# KiCad board hw-openmower-yardforce.kicad_pcb
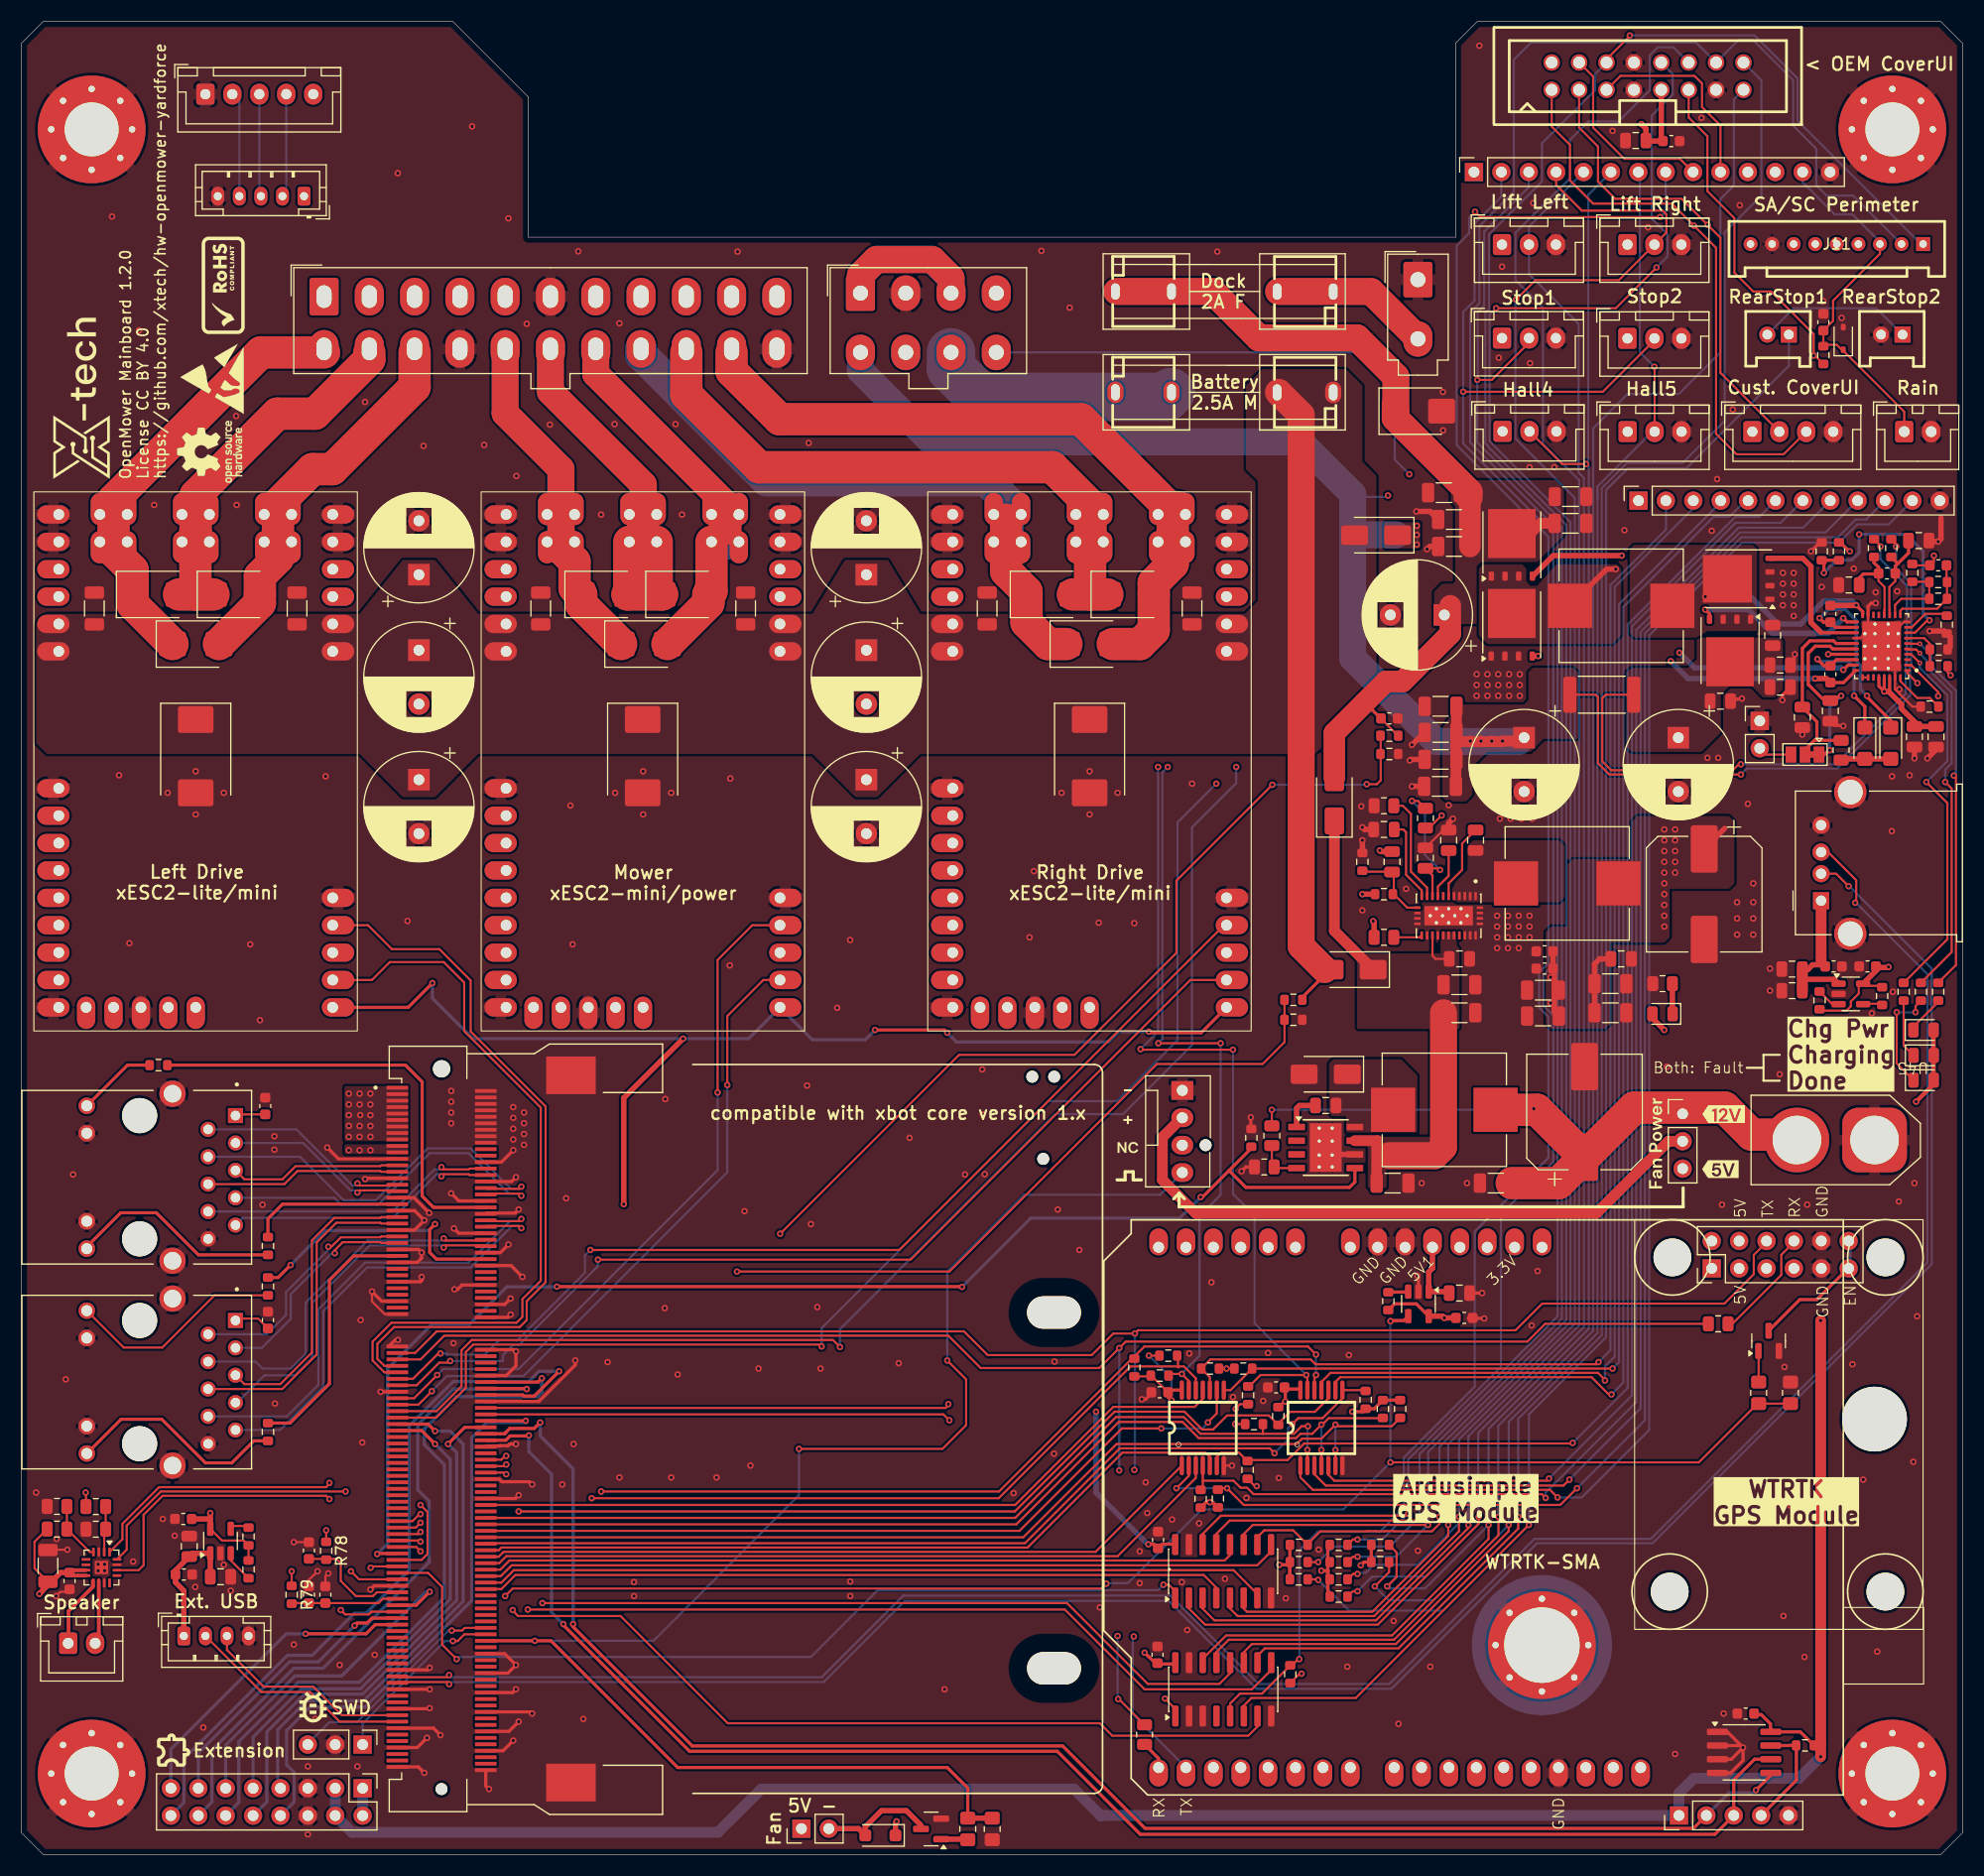
[diagram p0: board, top side]
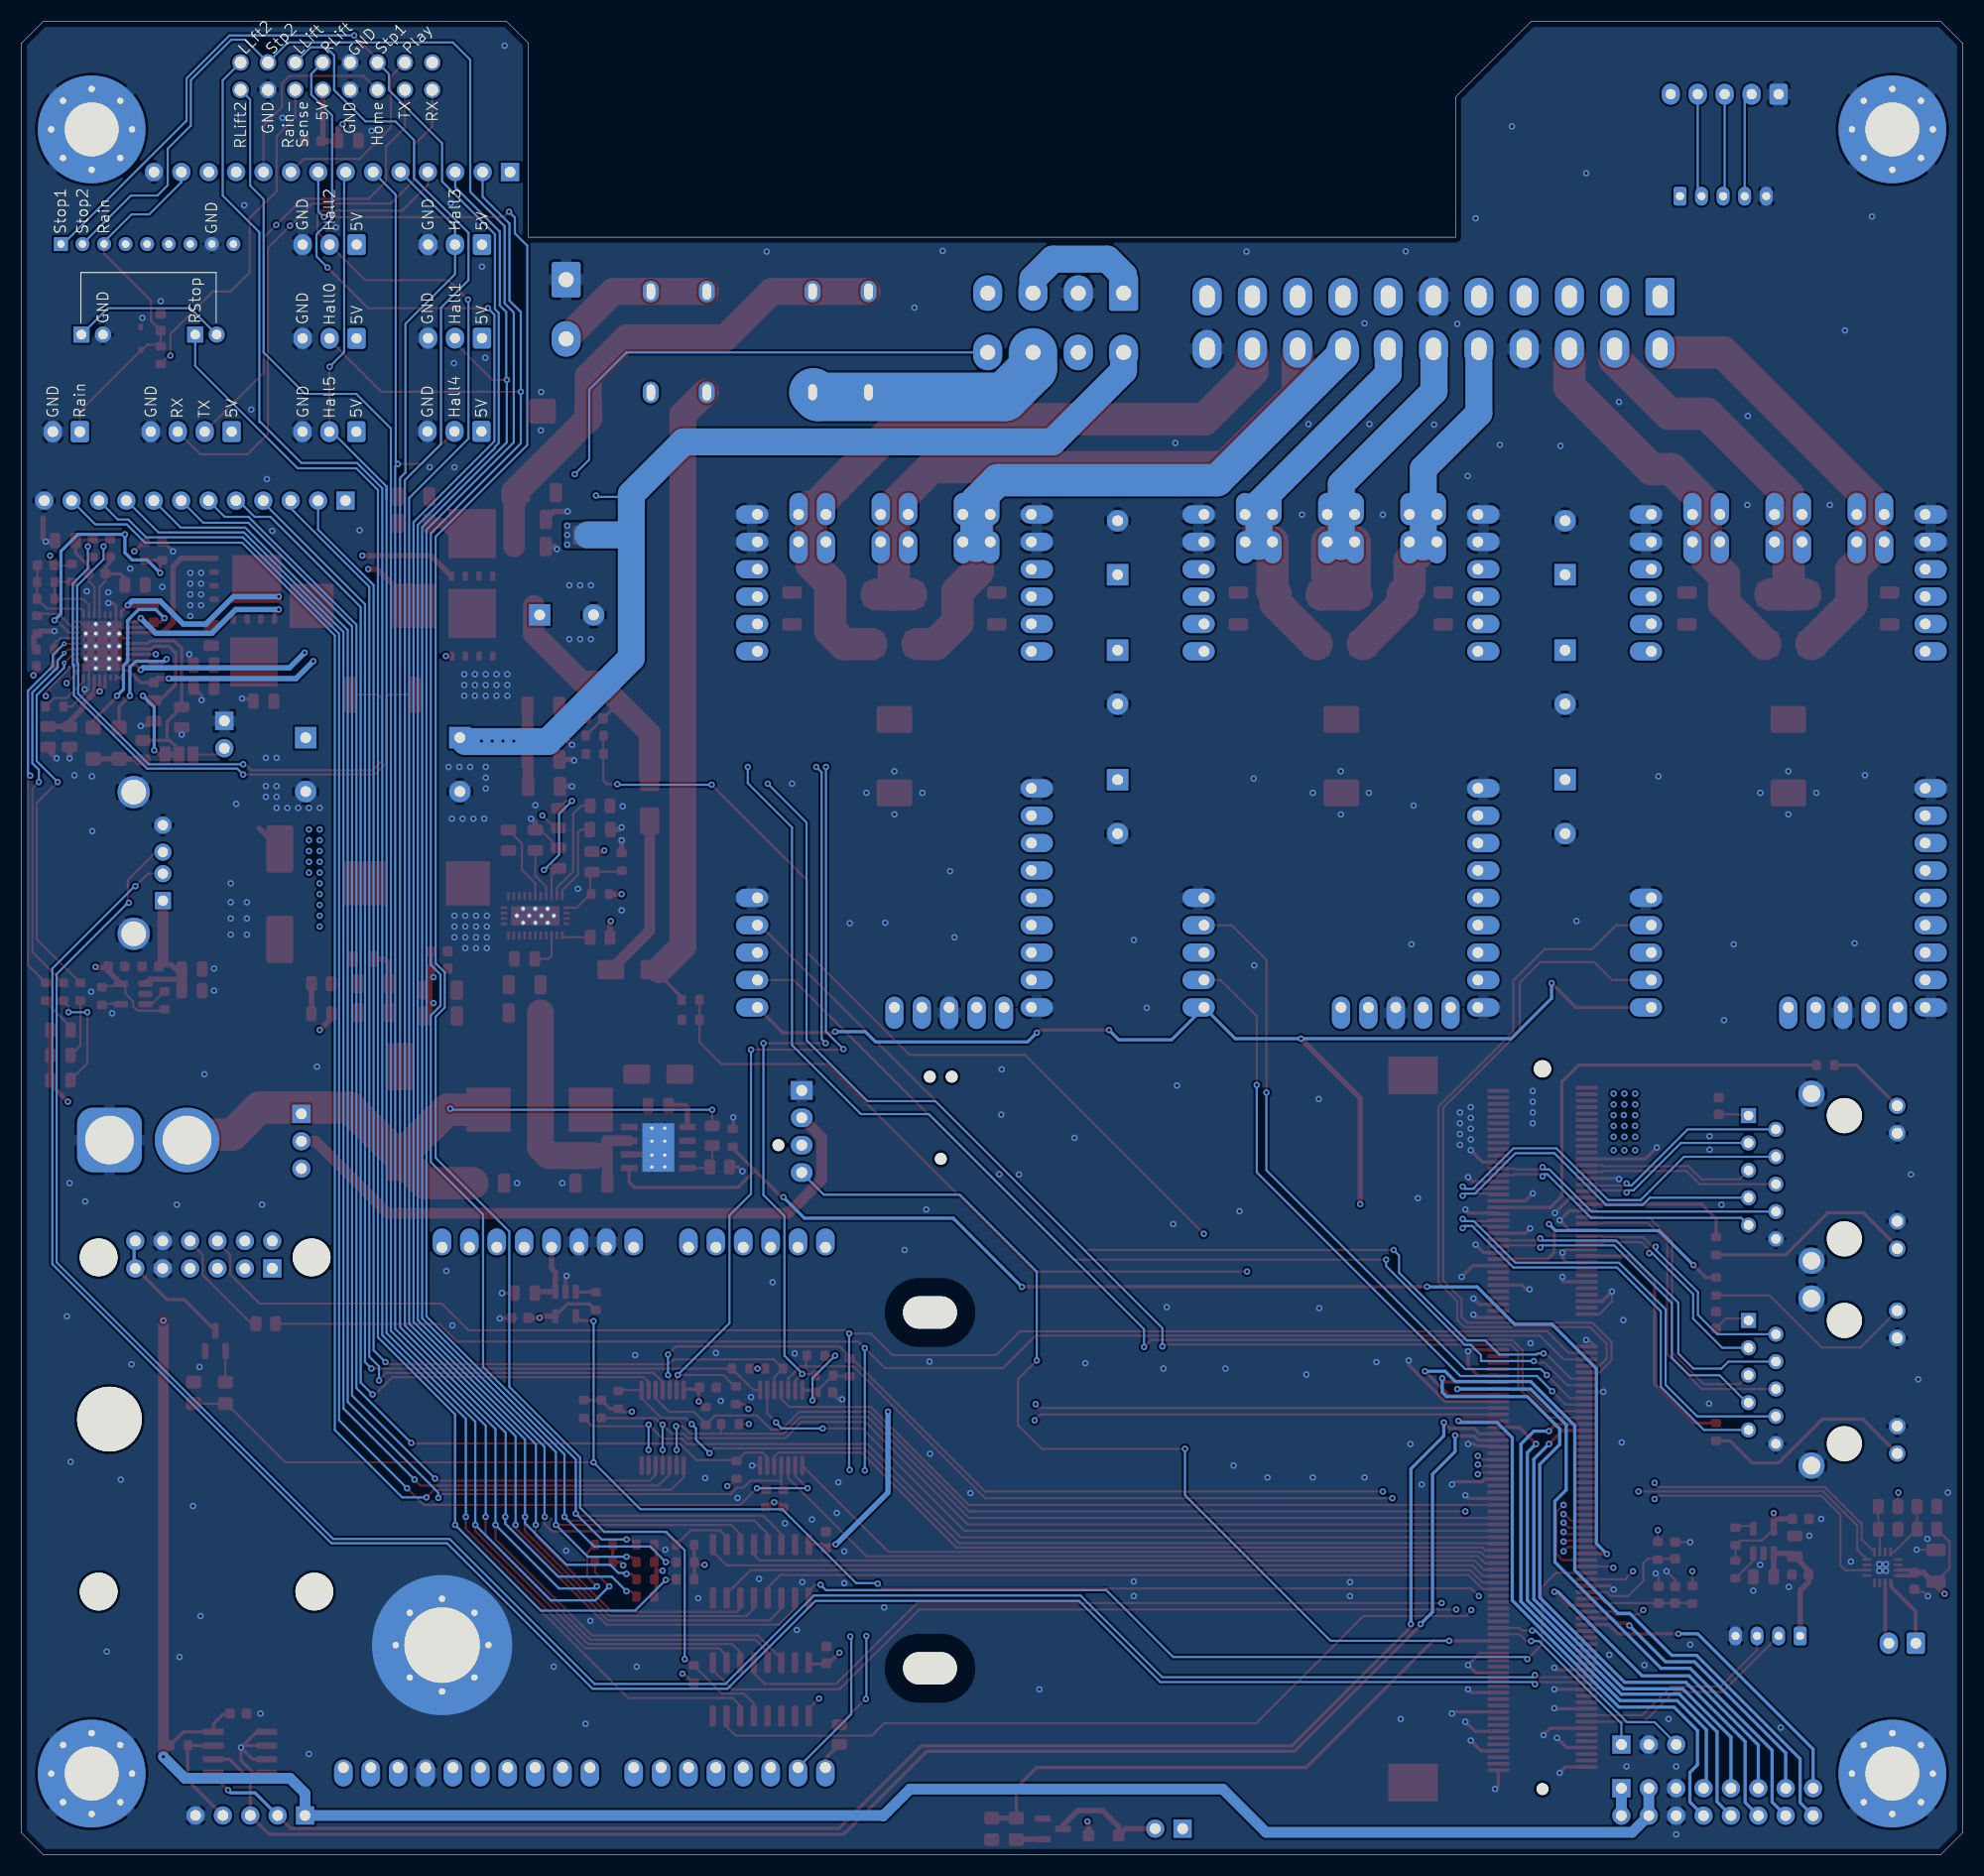
[diagram p1: board, bottom side, seen from below]

Outline 180 x 170 mm; copper layers: Top, In1.Cu-GND, In2.Cu-PWR-SIG, Bottom. Coordinates in mm from the lower left corner of the outline.
Outline path: 0,168 2,170 40,170 47,163 47,150 133,150 133,168 135,170 178,170 180,168 180,2 178,0 2,0 0,2 0,168
Stack: Top 0.035mm / dielectric 0.1mm FR4 er 4.5 / In1.Cu-GND 0.035mm / dielectric 1.24mm FR4 er 4.5 / In2.Cu-PWR-SIG 0.035mm / dielectric 0.1mm FR4 er 4.5 / Bottom 0.035mm

## Placement (name value [footprint] x y rotation side)
C1  100nF@50V  [C_0603_1608Metric]  171.2 82.36 180 top
C2  100nF@50V  [C_0603_1608Metric]  15 31.12 180 top
C3  470nF@50V  [C_0805_2012Metric]  164.2 80.11 180 top
C4  470nF@50V  [C_0805_2012Metric]  164.2 82.11 180 top
C5  100nF@50V  [C_0603_1608Metric]  168.05 82.36 180 top
C6  470nF@50V  [C_0805_2012Metric]  15.55 28.57 90 top
C7  470nF@50V  [C_0805_2012Metric]  18.45 25.75 0 top
C8  100nF@50V  [C_0603_1608Metric]  15.05 25.97 180 top
C9  100uF@6.3V  [C_1206_3216Metric]  2.45 26.76 90 top
C10  100nF@50V  [C_0603_1608Metric]  4.45 25.37 90 top
C11  10uF@50V  [C_1206_3216Metric]  127.15 62.27 0 top
C12  10nF  [C_0805_2012Metric]  120.95 69.46 0 top
C13  680uF  [CP_Elec_10x12.5]  144.95 68.87 90 top
C14  680uF  [CP_Elec_10x12.5]  156.05 89.06 270 top
C15  100nF@50V  [C_0603_1608Metric]  167.1 142.12 90 top
C16  10uF@50V  [C_1206_3216Metric]  136.72 62.27 180 top
C17  100nF@50V  [C_0603_1608Metric]  105.4 29.16 90 top
C18  100nF@50V  [C_0603_1608Metric]  153 158.91 0 top
C19  100nF@50V  [C_0603_1608Metric]  105.55 42.87 180 top
C20  100nF@50V  [C_0603_1608Metric]  116.35 43.31 0 top
C22  100nF@50V  [C_0603_1608Metric]  22.85 49.56 270 top
C23  100nF@50V  [C_0603_1608Metric]  22.6 69.41 270 top
C24  10uF@50V  [C_1206_3216Metric]  133.35 80.66 0 top
C25  10uF@50V  [C_1206_3216Metric]  133.35 78.06 0 top
C26  470nF@50V  [C_0805_2012Metric]  133.35 83.06 0 top
C27  C  [C_0805_2012Metric]  126.35 95.06 180 top  (not fitted)
C28  2.2uF  [C_0805_2012Metric]  132.35 94.07 270 top
C29  470nF@50V  [C_0805_2012Metric]  134.85 94.06 270 top
C30  C  [C_0805_2012Metric]  127.1 92.06 270 top  (not fitted)
C31  100uF@6.3V  [C_1206_3216Metric]  141.1 80.16 180 top
C32  100uF@6.3V  [C_1206_3216Metric]  141.1 77.77 180 top
C33  100uF@6.3V  [C_1206_3216Metric]  147.35 78.07 0 top
C34  100uF@6.3V  [C_1206_3216Metric]  147.35 80.77 0 top
C35  470nF@50V  [C_0805_2012Metric]  148.35 83.06 0 top
C36  100nF@50V  [C_0603_1608Metric]  141.25 82.16 0 top
C37  100nF@50V  [C_0603_1608Metric]  141.25 83.77 0 top
C38  4.7uF@50V  [C_1206_3216Metric]  132.85 121.31 180 top
C39  4.7uF@50V  [C_1206_3216Metric]  132.85 123.81 180 top
C40  4.7uF@50V  [C_1206_3216Metric]  143.65 123.46 0 top
C41  4.7uF@50V  [C_1206_3216Metric]  131.92 126.3 180 top
C42  220uF@80V  [CP_Radial_D10.0mm_P5.00mm]  131.95 114.97 180 top
C43  4.7uF@50V  [C_1206_3216Metric]  131.6 106.49 180 top
C44  4.7uF@50V  [C_1206_3216Metric]  131.55 99.06 180 top
C45  4.7uF@50V  [C_1206_3216Metric]  131.6 104.06 180 top
C46  4.7uF@50V  [C_1206_3216Metric]  131.6 101.56 180 top
C47  220uF@80V  [CP_Radial_D10.0mm_P5.00mm]  139.35 103.58 270 top
C48  100nF@50V  [C_0603_1608Metric]  167.75 115.06 270 top
C49  DNP  [C_0603_1608Metric]  177.75 119.56 0 top  (not fitted)
C50  220uF@80V  [CP_Radial_D10.0mm_P5.00mm]  153.65 103.58 270 top
C51  1uF@50V  [C_0805_2012Metric]  130.2 92.41 270 top
C52  100nF@50V  [C_0603_1608Metric]  133.8 49.76 0 top
C53  470nF@50V  [C_0805_2012Metric]  133.35 52.06 0 top
C54  100nF@50V  [C_0603_1608Metric]  126.85 105.36 0 top
C55  4.7uF@50V  [C_0805_2012Metric]  162.4 113.06 90 top
C56  4.7uF@50V  [C_0805_2012Metric]  163.1 110.31 0 top
C57  470nF@25V  [C_0603_1608Metric]  26.65 24.09 90 top
C58  4.7uF@50V  [C_0805_2012Metric]  163.1 108.27 0 top
C59  4.7uF@50V  [C_0805_2012Metric]  157.55 106.97 0 top
C60  100pF  [C_0603_1608Metric]  28.18 24.09 90 top
C61  470nF@25V  [C_0603_1608Metric]  26.65 28.19 90 top
C62  4.7uF  [C_0805_2012Metric]  149.7 158.97 180 top
C63  100nF@50V  [C_0603_1608Metric]  159.9 13.06 180 top
C64  220uF@80V  [CP_Radial_D10.0mm_P5.00mm]  36.85 111.7 270 top
C65  220uF@80V  [CP_Radial_D10.0mm_P5.00mm]  78.35 99.68 270 top
C66  10uF@50V  [C_1206_3216Metric]  6.75 115.56 90 top
C67  10uF@50V  [C_1206_3216Metric]  25.55 115.56 90 top
C68  220uF@80V  [CP_Radial_D10.0mm_P5.00mm]  36.85 99.68 270 top
C69  220uF@80V  [CP_Radial_D10.0mm_P5.00mm]  78.35 118.7 90 top
C70  10uF@50V  [C_1206_3216Metric]  48.15 115.56 90 top
C71  10uF@50V  [C_1206_3216Metric]  67.15 115.56 90 top
C72  220uF@80V  [CP_Radial_D10.0mm_P5.00mm]  36.85 118.7 90 top
C73  220uF@80V  [CP_Radial_D10.0mm_P5.00mm]  78.35 111.7 270 top
C74  10uF@50V  [C_1206_3216Metric]  108.55 115.56 90 top
C75  10uF@50V  [C_1206_3216Metric]  89.55 115.56 90 top
C76  100nF@50V  [C_0603_1608Metric]  167.75 109.47 90 top
C77  100nF@50V  [C_0603_1608Metric]  105.35 18.51 90 top
C78  4.7uF  [C_0805_2012Metric]  165.15 105.47 270 top
C79  100nF@100V  [C_0805_2012Metric]  175.55 103.66 270 top
C80  1uF@50V  [C_0805_2012Metric]  177.55 103.66 270 top
C81  100nF@100V  [C_0805_2012Metric]  169.47 117.74 0 top
C82  100nF@100V  [C_0805_2012Metric]  175.95 121.86 0 top
C83  470nF@25V  [C_0603_1608Metric]  173 118.81 0 top
C84  4.7uF  [C_0805_2012Metric]  167.75 106.06 270 top
D1  LED GREEN  [LED_0805_2012Metric]  152.19 77.97 180 top
D2  V1FM10-M3/H  [D_SMF]  173.35 103.06 270 top
D3  SS54  [D_SMA]  125.62 122.36 180 top
D4  SMBJ40CA  [D_SMB#2]  129.55 133.87 0 top
D5  LED GREEN  [LED_0805_2012Metric]  176.4 74.11 0 top
D6  LED GREEN  [LED_0805_2012Metric]  176.4 71.81 0 top
D7  SMCJ33CA-L  [D_SMC]  16.15 101.86 270 top
D8  DNP  [D_SMB]  19.95 116.86 0 top  (not fitted)
D9  DNP  [D_SMB]  12.45 116.86 0 top  (not fitted)
D10  DNP  [D_SMB]  16.15 112.27 0 top  (not fitted)
D11  SMCJ33CA-L  [D_SMC]  57.6 101.86 270 top
D12  DNP  [D_SMB]  61.55 116.86 0 top  (not fitted)
D13  DNP  [D_SMB]  54.05 116.86 0 top  (not fitted)
D14  DNP  [D_SMB]  57.75 112.27 0 top  (not fitted)
D15  SS54  [D_SMA]  123.35 82.06 180 top
D16  SS54  [D_SMA]  120.95 72.36 180 top
D17  SMCJ33CA-L  [D_SMC]  99.05 101.86 270 top
D18  DNP  [D_SMB]  102.85 116.86 0 top  (not fitted)
D19  DNP  [D_SMB]  95.35 116.86 0 top  (not fitted)
D20  DNP  [D_SMB]  99.05 112.27 0 top  (not fitted)
D21  PDZ3.3B,115  [D_SOD-323]  168.95 140.62 90 top
D22  D_Schottky  [D_SOD-123F]  79.65 1.76 180 top
D26  V1FM10-M3/H  [D_SMF]  170.95 103.06 270 top
D28  SS54  [D_SMA]  121.75 97.86 90 top
D29  LED GREEN  [LED_0805_2012Metric]  176.39 76.47 0 top
F2  Fuse  [Fuseholder5x20_horiz_open_inline_XF-003]  101.57 144.97 0 top  (not fitted)
F4  Fuse  [Fuseholder5x20_horiz_open_inline_XF-003]  101.57 135.62 0 top  (not fitted)
H1  MountingHole_Pad  [MountingHole_5mm_Pad_Via]  6.5 160 0 top  (not fitted)
H2  MountingHole_Pad  [MountingHole_5mm_Pad_Via]  6.5 7.5 0 top  (not fitted)
H3  MountingHole_Pad  [MountingHole_5mm_Pad_Via]  173.5 160 0 top  (not fitted)
H4  MountingHole_Pad  [MountingHole_5mm_Pad_Via]  173.5 7.5 0 top  (not fitted)
H5  SMA Mount Hole  [SMA_Mount_Hole_7mm_Pad_Via_Top_10_Bottom_13]  141 19.41 0 top  (not fitted)
J1  Conn_02x11_Top_Bottom  [Molex_Mini-Fit_Jr_5566-22A_2x11_P4.20mm_Vertical]  28.05 144.81 0 top
J2  Conn_02x04_Top_Bottom  [Molex_Mini-Fit_Jr_5566-08A_2x04_P4.20mm_Vertical]  77.8 144.81 0 top
J3  Conn_01x02  [Molex_Mini-Fit_Jr_5566-02A_2x01_P4.20mm_Vertical]  129.5 146.06 0 top
J4  Conn_01x04  [JST_PH_B4B-PH-K_1x04_P2.00mm_Vertical]  15.05 20.26 0 top
J5  OEM CoverUI  [HDR-IDC-2_54-2X8P_C3406]  150.8 164.94 0 top
J6  Conn_01x14_Socket  [PinSocket_1x14_P2.54mm_Vertical]  134.7 156.04 90 top
J7  Conn_01x12_Socket  [PinSocket_1x12_P2.54mm_Vertical]  149.96 125.56 90 top
J8  Conn_01x03_Pin  [JST_XH_B3B-XH-A_1x03_P2.50mm_Vertical]  148.95 131.97 0 top
J9  Conn_01x03_Pin  [JST_XH_B3B-XH-A_1x03_P2.50mm_Vertical]  137.35 131.99 0 top
J10  Conn_01x05  [JST_PH_B5B-PH-K_1x05_P2.00mm_Vertical]  26.2 153.81 180 top
J11  SA/SC Perimeter Plug  [ZX-HY2_0-9PZZ_C7429585]  168.35 149.37 0 top
J12  Conn_01x03_Pin  [JST_XH_B3B-XH-A_1x03_P2.50mm_Vertical]  137.3 149.31 0 top
J13  Conn_01x03_Pin  [JST_XH_B3B-XH-A_1x03_P2.50mm_Vertical]  148.93 149.31 0 top
J14  Conn_01x03_Pin  [JST_XH_B3B-XH-A_1x03_P2.50mm_Vertical]  137.3 140.64 0 top
J15  Conn_01x03_Pin  [JST_XH_B3B-XH-A_1x03_P2.50mm_Vertical]  148.93 140.62 0 top
J17  Conn_01x02  [JST_XH_B2B-XH-A_1x02_P2.50mm_Vertical]  174.6 131.96 0 top
J18  Conn_01x02  [JST_XH_B2B-XH-A_1x02_P2.50mm_Vertical]  4.33 19.59 0 top
J19  Conn_01x04  [JST_XH_B4B-XH-A_1x04_P2.50mm_Vertical]  160.52 131.97 0 top
J20  Conn_01x02  [AMASS_XT60-F_1x02_P7.20mm_Vertical]  171.85 66.27 180 top  (not fitted)
J21  Conn_01x05  [JST_XH_B5B-XH-A_1x05_P2.50mm_Vertical]  17.05 163.26 0 top
J23  -  [HR911130A]  10.95 43.81 90 top  (not fitted)
J24  -  [HR911130A]  10.95 62.81 90 top
J25  Conn_01x05_Pin  [PinHeader_1x05_P2.54mm_Vertical]  153.71 3.62 90 top  (not fitted)
J26  -  [xcore]  38.95 39.47 0 top
J27  Conn_01x02_Pin  [HC-HY-2A_C2845460]  173.45 140.97 0 top
J28  AF 90 WJDG  [USB_A_Molex_67643_Horizontal]  166.89 88.47 90 top
J31  Conn_01x03_Pin  [PinHeader_1x03_P2.54mm_Vertical]  31.62 10.19 270 top
J32  Conn_02x08_Odd_Even  [PinHeader_2x08_P2.54mm_Vertical]  31.63 6.14 270 top
J33  Molex 470531000  [FanPinHeader_1x04_P2.54mm_Vertical]  107.65 70.86 270 top
J34  Conn_01x03_Pin  [PinHeader_1x03_P2.54mm_Vertical]  154.05 68.69 0 top
J40  Conn_01x02_Pin  [HC-HY-2A_C2845460]  162.9 140.97 0 top
JP1  SolderJumper_3_Bridged12  [SolderJumper-3_P1.3mm_Bridged12_Pad1.0x1.5mm]  165.4 102.02 180 top
kibuzzard-6851E2AD  G***  [kibuzzard-6851E2AD]  151.55 65.97 90 top
kibuzzard-6851E6D2  G***  [kibuzzard-6851E6D2]  102.6 68.12 0 top
kibuzzard-6851E284  G***  [kibuzzard-6851E284]  157.85 68.66 0 top
kibuzzard-6851E291  G***  [kibuzzard-6851E291]  157.55 63.56 0 top
kibuzzard-6851E703  G***  [kibuzzard-6851E703]  102.6 70.88 180 top
kibuzzard-6852CD82  G***  [kibuzzard-6852CD82]  102.6 65.56 0 top
L1  6.8uH  [L_Sunlord_MWSA1004S]  143.35 90.06 0 top
L3  22uH  [L_Sunlord_MWSA1004S]  131.95 69.06 0 top
L4  10uH  [L_Sunlord_MWSA1004S]  148.35 115.81 0 top
LOGO2  -  [ESD-Logo_6.6x6mm_SilkScreen]  17.65 136.87 90 top
M1  Fan  [PinHeader_1x02_P2.54mm_Vertical]  72.32 2.39 90 top
Q1  BSS138  [SOT-23]  162.03 47.63 90 top
Q4  BSS138  [SOT-23]  84.35 2.37 180 top
Q6  BSC0702LS  [TDSON-8-1]  138.22 121.47 90 top
Q7  BSC0702LS  [TDSON-8-1]  138.2 114.05 90 top
Q8  BSC0702LS  [TDSON-8-1]  158.45 111.66 270 top
Q9  BSC0702LS  [TDSON-8-1]  159.25 118.31 180 top
R1  10k  [R_0603_1608Metric]  172.55 79.61 90 top
R2  10k  [R_0603_1608Metric]  21.05 29.49 270 top
R3  10k  [R_0603_1608Metric]  166.75 79.22 90 top
R4  10k  [R_0603_1608Metric]  21.05 26.44 270 top
R5  1M  [R_0805_2012Metric]  3.29 30.18 0 top
R6  1M  [R_0805_2012Metric]  3.29 32.28 180 top  (not fitted)
R7  1M  [R_0805_2012Metric]  6.89 32.26 0 top  (not fitted)
R8  0R  [R_0805_2012Metric]  6.89 30.16 180 top
R11  300R  [R_0603_1608Metric]  22.85 52.68 270 top
R12  300R  [R_0603_1608Metric]  22.85 39.18 270 top
R13  300R  [R_0603_1608Metric]  12.7 73.21 180 top
R14  300R  [R_0603_1608Metric]  22.85 56.43 270 top
R15  R  [R_0805_2012Metric]  126.35 97.27 180 top  (not fitted)
R16  100k  [R_0805_2012Metric]  126.35 85.06 180 top
R17  100k 0.1%  [R_0603_1608Metric]  126.35 89.06 0 top
R18  25k 0.1%  [R_0603_1608Metric]  124.35 92.06 90 top
R19  1k  [R_0805_2012Metric]  152.19 80.77 180 top
R20  47kR  [R_0603_1608Metric]  178.55 114.06 90 top
R21  100k  [R_0603_1608Metric]  177.8 110.22 180 top
R22  R  [R_1206_3216Metric]  143.65 125.94 0 top  (not fitted)
R23  15k 0.1%  [R_0603_1608Metric]  177.75 118.02 0 top
R24  10k  [R_0805_2012Metric_Pad1.20x1.40mm_HandSolder]  164.05 42.81 270 top
R25  150  [R_0805_2012Metric_Pad1.20x1.40mm_HandSolder]  161.1 42.81 90 top
R26  0R  [R_0805_2012Metric]  130.2 96.11 90 top
R27  10k  [R_0603_1608Metric]  126.75 51.31 90 top
R28  10k  [R_0603_1608Metric]  114.3 39.91 0 top
R29  10k  [R_0603_1608Metric]  126.25 41.31 270 top
R30  10k  [R_0603_1608Metric]  110.95 33.01 90 top
R31  10k  [R_0603_1608Metric]  109.35 32.99 90 top
R32  10k  [R_0603_1608Metric]  113.7 35.66 90 top
R33  249kR 0.1%  [R_0603_1608Metric]  175.35 118.86 270 top
R34  10k  [R_0603_1608Metric]  174.55 80.02 90 top
R35  10k  [R_0603_1608Metric]  176.15 80.02 90 top
R36  10k  [R_0603_1608Metric]  113.3 45.06 0 top
R37  10k  [R_0603_1608Metric]  110.22 45.06 180 top
R38  10k  [R_0603_1608Metric]  122.15 25.51 0 top
R39  10k  [R_0603_1608Metric]  122.15 27.12 0 top
R40  10k  [R_0603_1608Metric]  122.15 28.72 0 top
R41  10k  [R_0603_1608Metric]  165.4 10.12 180 top
R42  10k  [R_0603_1608Metric]  126 27.12 0 top
R43  10k  [R_0603_1608Metric]  126 28.72 0 top
R44  20k  [R_0805_2012Metric]  115.95 66.66 270 top
R45  2.2k  [R_0805_2012Metric]  115.25 63.77 180 top
R46  10k  [R_0603_1608Metric]  114.05 66.47 90 top
R47  10k  [R_0603_1608Metric]  167.1 139.06 90 top
R48  10k  [R_0603_1608Metric]  127.85 41.31 270 top
R49  10k  [R_0603_1608Metric]  116.55 40.66 270 top
R50  10k  [R_0603_1608Metric]  124.65 42.16 90 top
R51  10k  [R_0603_1608Metric]  122.15 23.91 0 top
R52  10k  [R_0805_2012Metric_Pad1.20x1.40mm_HandSolder]  90.02 2.37 90 top  (not fitted)
R53  150  [R_0805_2012Metric_Pad1.20x1.40mm_HandSolder]  87.75 2.37 270 top
R54  33k 0.1%  [R_0603_1608Metric]  126.85 103.77 0 top
R55  2k7 0.1%  [R_0603_1608Metric]  126.85 102.06 180 top
R56  32k4 0.1%  [R_0603_1608Metric]  117.95 79.27 0 top
R57  3k24 0.1%  [R_0603_1608Metric]  117.95 77.41 180 top
R58  2.2k  [R_0805_2012Metric]  157.35 49.22 180 top
R59  2.2k  [R_0805_2012Metric]  104.15 11.12 90 top
R60  10k  [R_0603_1608Metric]  118.45 27.12 0 top
R61  10k  [R_0603_1608Metric]  118.45 28.72 0 top
R62  10k  [R_0603_1608Metric]  117.66 16.72 90 top
R63  10k  [R_0603_1608Metric]  118.45 25.51 0 top
R64  10k  [R_0603_1608Metric]  105.55 44.41 0 top
R65  10k  [R_0603_1608Metric]  113.75 42.59 90 top
R66  0R  [R_0805_2012Metric]  168.75 102.41 270 top
R67  5mR  [R_2512_6332Metric]  146.55 107.56 0 top
R68  10R  [R_0603_1608Metric]  171.8 121.16 270 top
R69  10R  [R_0603_1608Metric]  173.4 121.16 270 top
R70  10k  [R_0603_1608Metric]  106.35 46.26 0 top
R71  220kR 0.1%  [R_0603_1608Metric]  177.75 116.47 0 top
R72  5.24kR  [R_0603_1608Metric]  168.55 120.86 270 top  (not fitted)
R73  30.31kR  [R_0603_1608Metric]  166.95 120.86 90 top  (not fitted)
R74  133kR  [R_0603_1608Metric]  176.95 106.47 0 top
R75  10k  [R_0603_1608Metric]  177.8 111.77 0 top
R76  10k  [R_0603_1608Metric]  177.75 80.02 90 top
R77  10k  [R_0603_1608Metric]  103.2 45.16 90 top
R78  1k  [R_0603_1608Metric]  28.25 28.16 270 top
R79  1k  [R_0603_1608Metric]  25.05 24.09 270 top
REF**  -  [OSHW-Logo_5.7x6mm_SilkScreen]  17.45 130.09 90 top
REF**#2  -  [Tag-Connect_TC2050-guidance]  94.75 68.33 90 top  (not fitted)
TP1  TestPoint_2Pole  [PinHeader_1x02_P2.54mm_Vertical]  161.2 105.14 0 top  (not fitted)
U1  TPS2065CDBV  [SOT-23-5]  169.65 79.81 0 top
U2  TPS2065CDBV  [SOT-23-5]  18.45 29.06 90 top
U3  MAX98357A  [TQFN-16-1EP_3x3mm_P0.5mm_EP1.23x1.23mm]  7.41 26.62 270 top
U4  TPS5430DDA  [TI_SO-PowerPAD-8_ThermalVias]  120.95 65.56 0 top
U5  -  [LM76005RNPR]  132.35 87.06 270 top
U6  TPS2061C  [SOT-23-5]  129.55 51.06 270 top
U7  M24C02-WMN  [SOIC-8_3.9x4.9mm_P1.27mm]  159.75 9.47 0 top
U8  xESC2  [xESC2-mini]  31.39 98.88 90 top  (not fitted)
U9  xESC2  [xESC2-mini]  72.88 98.88 90 top  (not fitted)
U10  xESC2  [xESC2-mini]  114.29 98.88 90 top  (not fitted)
U11  SN74LVC07ADBR  [SN74LVC07ADBR_C2676799]  109.55 39.56 0 top
U12  SN74LVC07ADBR  [SN74LVC07ADBR_C2676799]  120.55 39.56 0 top
U13  ~  [UM9XX_WitMotion Sabo]  176.35 58.88 180 top  (not fitted)
U14  Fuse Holder  [Dummy]  104.05 144.98 0 top
U15  Fuse Holder  [Dummy]  119.05 144.98 0 top
U16  Fuse Holder  [Dummy]  104.05 135.58 0 top
U17  Fuse Holder  [Dummy]  119.05 135.58 0 top
U18  2.54mm 2x2 socket  [Dummy]  8.55 123.02 0 top
U19  2.54mm 2x2 socket  [Dummy]  50.04 123.02 0 top
U20  2.54mm 2x2 socket  [Dummy]  91.45 123.02 0 top
U21  2.54mm 2x2 socket  [Dummy]  23.75 123.02 0 top
U22  2.54mm 2x2 socket  [Dummy]  57.64 123.02 0 top
U23  2.54mm 2x2 socket  [Dummy]  99.05 123.02 0 top
U24  2.54mm 2x2 socket  [Dummy]  16.15 123.02 0 top
U25  2.54mm 2x2 socket  [Dummy]  65.24 123.02 0 top
U26  2.54mm 2x2 socket  [Dummy]  106.65 123.02 0 top
U27  -  [BQ25756RRVR]  172.5 112.06 180 top
U28  Fuse 2A  [Dummy]  111.55 144.97 0 top
U29  Fuse 2A  [Dummy]  111.55 135.62 0 top
U30  2.54mm 1x6 socket  [Dummy]  3.45 117.91 90 top
U31  2.54mm 1x6 socket  [Dummy]  70.24 117.97 90 top
U32  2.54mm 1x6 socket  [Dummy]  111.65 117.97 90 top
U33  2.54mm 1x6 socket  [Dummy]  28.75 117.97 90 top
U34  2.54mm 1x6 socket  [Dummy]  44.94 117.91 90 top
U35  2.54mm 1x6 socket  [Dummy]  86.35 117.91 90 top
U36  2.54mm 1x9 socket  [Dummy]  3.45 88.72 90 top
U37  2.54mm 1x9 socket  [Dummy]  44.94 88.72 90 top
U38  2.54mm 1x9 socket  [Dummy]  86.35 88.72 90 top
U39  2.54mm 1x5 socket  [Dummy]  28.85 83.64 90 top
U40  2.54mm 1x5 socket  [Dummy]  70.34 83.64 90 top
U41  2.54mm 1x5 socket  [Dummy]  111.75 83.64 90 top
U42  2.54mm 1x6 socket  [Dummy]  175.4 61.15 180 top
U43  2.54mm 1x8 socket  [Dummy]  175.4 64.25 180 top
U44  2.54mm 1x8 socket  [Dummy]  175.4 67.35 180 top
U45  2.54mm 1x10 socket  [Dummy]  175.4 70.45 180 top
U46  2.54mm 2x6 socket  [Dummy]  163.23 55.6 180 top
U47  SN74LVC157ADR  [SOIC-16_3.9x9.9mm_P1.27mm]  111.44 26.26 90 top
U48  SN74LVC157ADR  [SOIC-16_3.9x9.9mm_P1.27mm]  111.45 15.31 90 top
XA1  Ardusimple_F9P  [Arduino_Uno_Shield_Ardusimple_Budget]  168.95 58.85 180 top  (not fitted)
